# KiCad board 8ch-mosfet.kicad_pcb (continued)
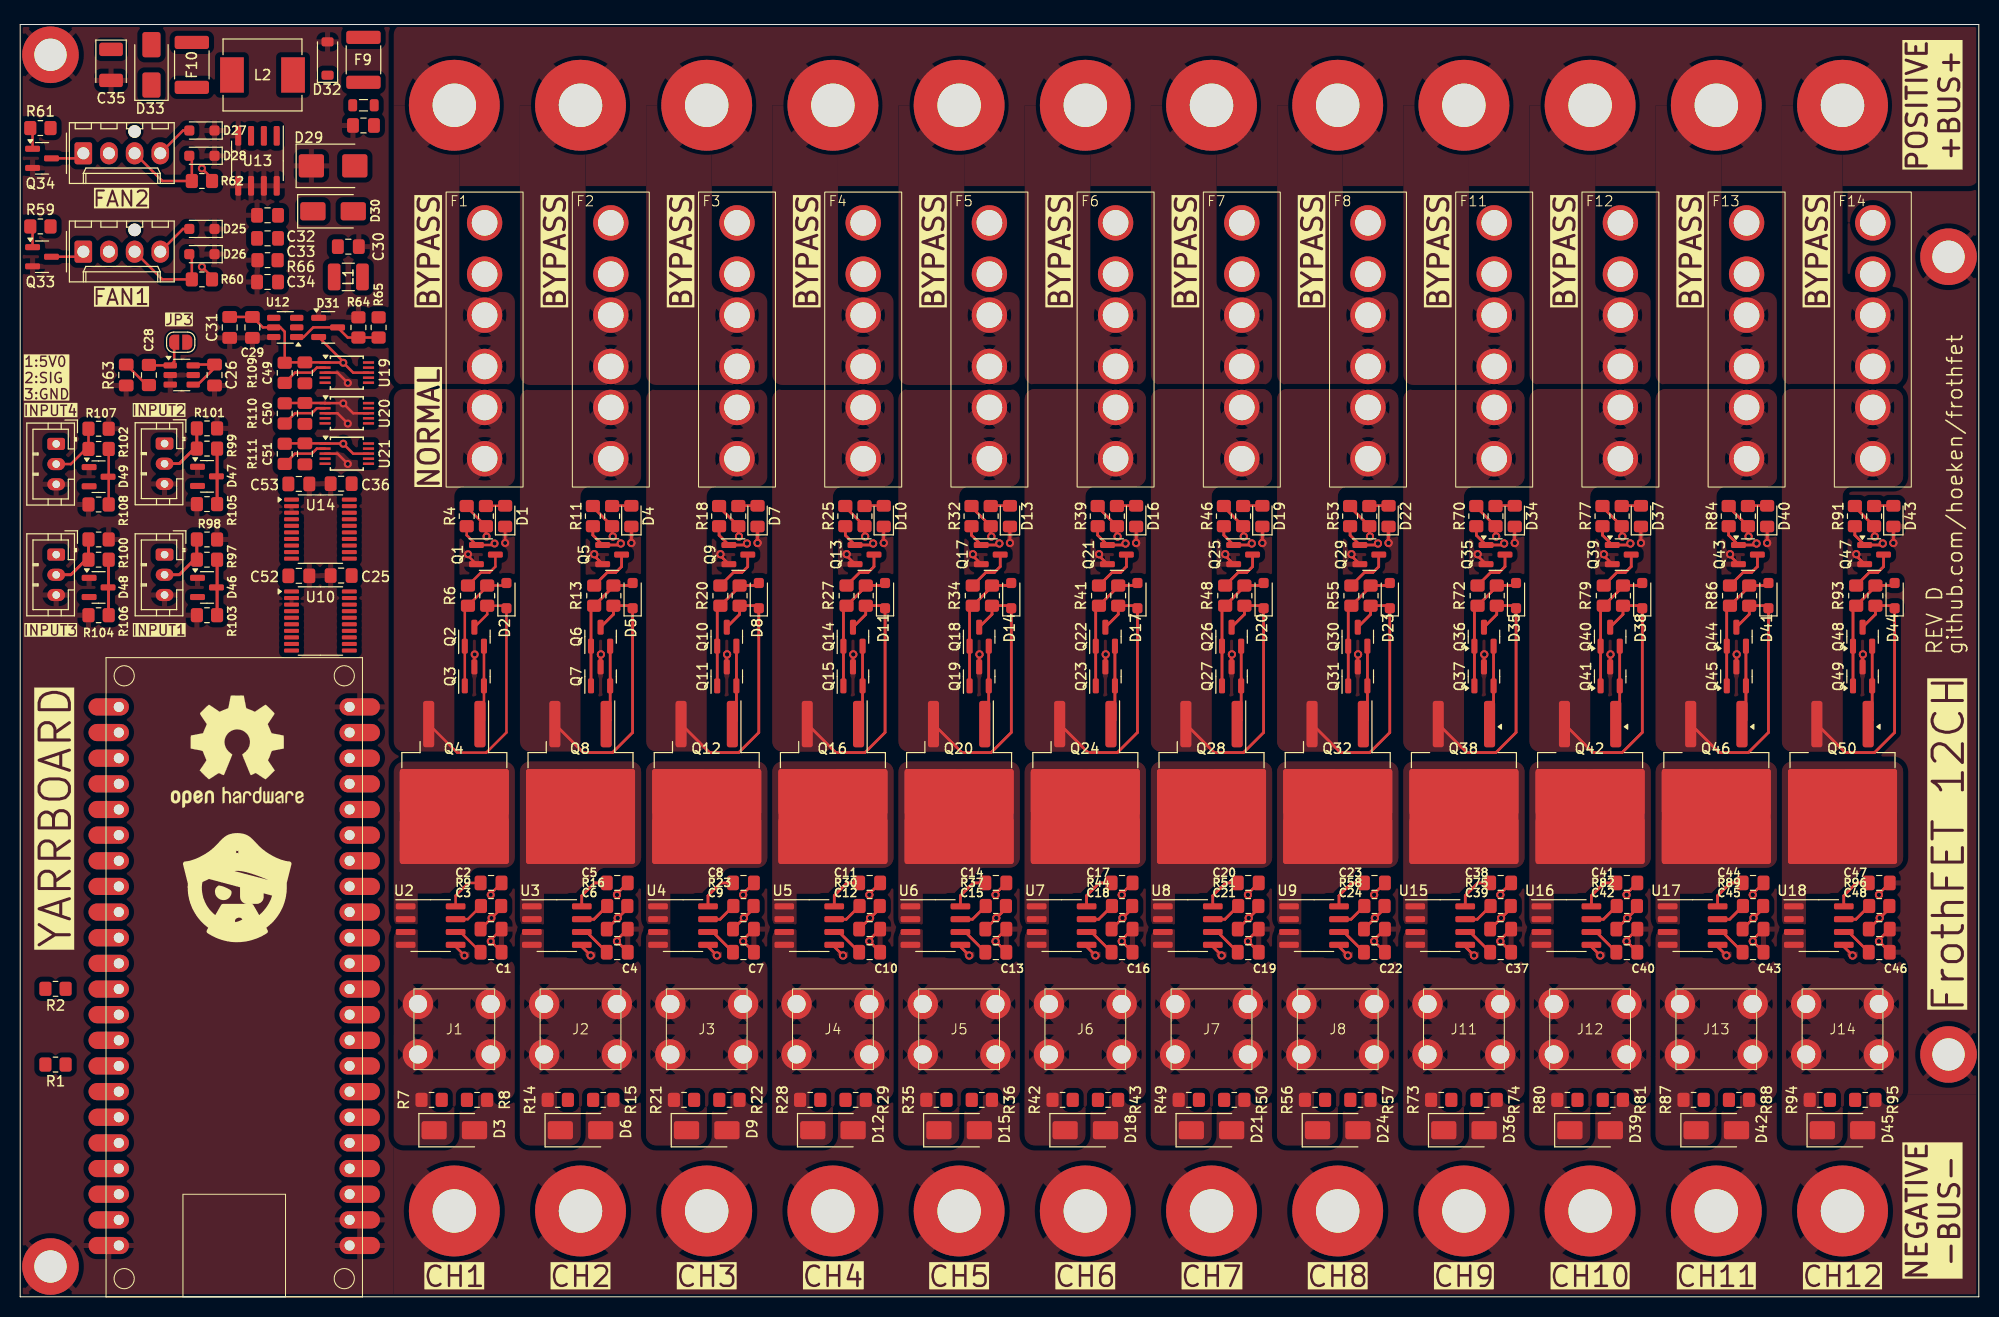
[diagram p0: board, top side]
## Placement (name value [footprint] x y rotation side) (continued)
U3  ACS725xLCTR-20AU  [ACS7XX]  53.15 36.76 0 top
U4  ACS725xLCTR-20AU  [ACS7XX]  65.65 36.76 0 top
U5  ACS725xLCTR-20AU  [ACS7XX]  78.15 36.76 0 top
U6  ACS725xLCTR-20AU  [ACS7XX]  90.65 36.76 0 top
U7  ACS725xLCTR-20AU  [ACS7XX]  103.15 36.76 0 top
U8  ACS725xLCTR-20AU  [ACS7XX]  115.65 36.76 0 top
U9  ACS725xLCTR-20AU  [ACS7XX]  128.15 36.76 0 top
U10  MCP3564R  [TSSOP-20_4.4x6.5mm_P0.65mm]  29.74 66.92 0 top
U11  MCP1502-33  [SOT-23-6]  16 91.29 0 top
U12  MCP3425A0T-ECH  [SOT-23-6]  26.25 96 180 top
U13  XL1509-5.0  [SOIC-8_3.9x4.9mm_P1.27mm]  23.5 112.5 270 top
U14  MCP3564R  [TSSOP-20_4.4x6.5mm_P0.65mm]  29.74 76.03 0 top
U15  ACS725xLCTR-20AU  [ACS7XX]  140.65 36.76 0 top
U16  ACS725xLCTR-20AU  [ACS7XX]  153.15 36.76 0 top
U17  ACS725xLCTR-20AU  [ACS7XX]  165.65 36.76 0 top
U18  ACS725xLCTR-20AU  [ACS7XX]  178.15 36.76 0 top
U19  ADS1015IDGS  [TSSOP-10_3x3mm_P0.5mm]  32.35 91.52 0 top
U20  ADS1015IDGS  [TSSOP-10_3x3mm_P0.5mm]  32.35 87.5 0 top
U21  ADS1015IDGS  [TSSOP-10_3x3mm_P0.5mm]  32.35 83.5 0 top

## Library data of the parts
C1 C4 C7 C10 C13 C16 C19 C22 = -: LCSC: C94121; Mouser: C0805C102J1HACTU; ki_fp_filters: C_*
C2 C5 C8 C11 C14 C17 C20 C23 = -: LCSC: C49678; Mouser: 08053C104KAT4A; ki_fp_filters: C_*
C3 C6 C9 C12 C15 C18 C21 C24 = -: LCSC: C107153; Mouser: C0805C472K5RAC; ki_fp_filters: C_*
C25 C36 C49-C53 = -: Mouser: 08053C104KAT4A; ki_fp_filters: C_*
C26 C28 C31 C38 C41 C44 C47 = -: Mouser: 08053C104KAT4A; LCSC: C49678; ki_fp_filters: C_*
C27 C29 C30 C32-C34 = -: ki_fp_filters: C_*
C35 = -: LCSC: C90975; ki_fp_filters: CP_*
C37 C40 C43 C46 = -: Mouser: C0805C102J1HACTU; LCSC: C94121; ki_fp_filters: C_*
C39 C42 C45 C48 = -: Mouser: C0805C472K5RAC; LCSC: C107153; ki_fp_filters: C_*
D1 D4 D7 D10 D13 D16 D19 D22 D34 D37 D40 D43 = -: Mouser: 150080RS75000; ki_fp_filters: LED* LED_SMD:* LED_THT:*
D2 D5 D8 D11 D14 D17 D20 D23 D35 D38 D41 D44 = -: Mouser: 771-BZX384-C15115; ki_fp_filters: TO-???* *_Diode_* *SingleDiode* D_*
D3 D6 D9 D12 D15 D18 D21 D24 = -: Mouser: 625-SS16-E3; Sim.Device: D; Sim.Pins: 1=K 2=A; ki_fp_filters: D*SMA*
D25-D28 = -: LCSC: C316020; ki_fp_filters: TO-???* *_Diode_* *SingleDiode* D_*
D29 = -: LCSC: C284101; ki_fp_filters: TO-???* *_Diode_* *SingleDiode* D_*
D30 D33 = -: Mouser: 241-SX33L_R1_00001; ki_fp_filters: TO-???* *_Diode_* *SingleDiode* D_*
D31 D46-D49 = -: Datasheet: https://www.diodes.com/assets/Datasheets/ds11005.pdf; LCSC: C727126; ki_fp_filters: SOT?23*
D32 = -: LCSC: C908229; Mouser: 610-CMHSH5-2L; ki_fp_filters: TO-???* *_Diode_* *SingleDiode* D_*
D36 D39 D42 D45 = -: Sim.Device: D; Sim.Pins: 1=K 2=A; Mouser: 625-SS16-E3; ki_fp_filters: D*SMA*
F1-F8 F11-F14 = -: Mouser: 534-3522-3; ki_fp_filters: *Fuse*
F9 = -: LCSC: C70113; ki_fp_filters: *polyfuse* *PTC*
F10 = -: LCSC: C69691; ki_fp_filters: *polyfuse* *PTC*
FAN1 FAN2 = -: Datasheet: http://www.formfactors.org/developer%5Cspecs%5Crev1_2_public.pdf; LCSC: C3025061; Mouser: 538-47053-1000; ki_fp_filters: FanPinHeader*P2.54mm*Vertical* PinHeader*P2.54mm*Vertical* TerminalBlock*
FB1 = -: LCSC: C1017; ki_fp_filters: Inductor_* L_* *Ferrite*
H1-H4 = -: ki_fp_filters: MountingHole*Pad*
INPUT1-INPUT4 = -: Description: Generic connector, single row, 01x03, script generated (kicad-library-utils/schlib/autogen/connector/); ki_fp_filters: Connector*:*_1x??_*
J1-J8 J11-J14 = -: Description: Generic connector, single row, 01x01, script generated (kicad-library-utils/schlib/autogen/connector/); ki_fp_filters: Connector*:*_1x??_*
J9 J10 = -: Description: Generic screw terminal, single row, 01x12, script generated (kicad-library-utils/schlib/autogen/connector/); ki_fp_filters: TerminalBlock*:*
JP3 = -: ki_fp_filters: SolderJumper*Open*
L1 = -: LCSC: C90321; ki_fp_filters: Choke_* *Coil* Inductor_* L_*
L2 = -: LCSC: C2894721; ki_fp_filters: Choke_* *Coil* Inductor_* L_*
LOGO1 = -: Description: Open Hardware logo, small; Sim.Enable: 0
Q1 Q5 Q9 Q13 Q17 Q21 Q25 Q29 Q33-Q35 Q39 Q43 Q47 = -: Datasheet: https://www.onsemi.com/pub/Collateral/NDS7002A-D.PDF; ki_fp_filters: SOT?23*
Q2 Q6 Q10 Q14 Q18 Q22 Q26 Q30 Q36 Q40 Q44 Q48 = -: Datasheet: https://assets.nexperia.com/documents/data-sheet/BC846_SER.pdf; ki_fp_filters: SOT?23*
Q3 Q7 Q11 Q15 Q19 Q23 Q27 Q31 Q37 Q41 Q45 Q49 = -: Datasheet: https://www.onsemi.com/pub/Collateral/BC860-D.pdf; ki_fp_filters: SOT?23*
Q4 Q8 Q12 Q16 Q20 Q24 Q28 Q32 Q38 Q42 Q46 Q50 = -: Datasheet: http://www.infineon.com/dgdl/irf4905.pdf?fileId=5546d462533600a4015355e32165197c; ki_fp_filters: TO?220*
R1 R2 R5-R7 R12-R14 R19-R21 R26-R28 R33-R35 R40-R42 R47-R49 R54-R56 R63 R66 R71-R73 R78-R80 R85-R87 R92-R94 R98 R101 R103-R111 = -: ki_fp_filters: R_*
R3 R9 R10 R16 R17 R23 R24 R30 R31 R37 R38 R44 R45 R51 R52 R58-R62 R69 R75 R76 R82 R83 R89 R90 R96 = -: LCSC: C95781; ki_fp_filters: R_*
R4 R11 R18 R25 R32 R39 R46 R53 R70 R77 R84 R91 = -: LCSC: C114519; ki_fp_filters: R_*
R8 R15 R22 R29 R36 R43 R50 R57 R65 R74 R81 R88 R95 = -: LCSC: C865312; ki_fp_filters: R_*
R64 = -: LCSC: C865386; ki_fp_filters: R_*
R97 R99 R100 R102 = -: LCSC: C865134; ki_fp_filters: R_*
U1 = -: Vendor: 356-ESP32-DEVKITC32E
U2-U9 U15-U18 = -: Datasheet: http://www.allegromicro.com/~/media/Files/Datasheets/ACS725-Datasheet.ashx?la=en; Mouser: 250-725LLCTR20AUT; ki_fp_filters: SOIC*3.9x4.9m*P1.27mm*
U10 U14 = -: Datasheet: https://ww1.microchip.com/downloads/aemDocuments/documents/APID/ProductDocuments/DataSheets/MCP3561_2_4R-Data-Sheet-DS200006391C.pdf; Description: Two/Four/Eight-Channel, 153.6 ksps, Low Noise24-Bit Delta-Sigma ADCs with Internal Voltage Reference; ki_fp_filters: DIP*W7.62mm* SOIC*3.9x9.9mm*P1.27mm*
U11 = -: Datasheet: http://ww1.microchip.com/downloads/en/DeviceDoc/20005474E.pdf; Mouser: 579-MCP1502T-33E/CHY; ki_fp_filters: SOT?23*
U12 = -: Datasheet: http://ww1.microchip.com/downloads/en/DeviceDoc/22072b.pdf; Mouser: 579-MCP3425A0T-E/CH; ki_fp_filters: SOT?23* SOT?23*
U13 = -: Datasheet: https://datasheet.lcsc.com/lcsc/1809050422_XLSEMI-XL1509-5-0E1_C61063.pdf; LCSC: C2902368; ki_fp_filters: SOIC*3.9x4.9mm*P1.27mm*
U19-U21 = -: Datasheet: http://www.ti.com/lit/ds/symlink/ads1015.pdf; Description: Ultra-Small, Low-Power, I2C-Compatible, 3.3-kSPS, 12-Bit ADCs With Internal Reference, Oscillator, and Programmable Comparator, VSSOP-10; ki_fp_filters: TSSOP*3x3mm*P0.5mm*

## Footprints (pads in the part's own frame, mm; a bottom-side part is the same pattern mirrored in y, then rotated)
ACS7XX
  rrect 1.95x0.6 smd: 1(-2.475,1.905) 2(-2.475,0.635) 3(-2.475,-0.635) 4(-2.475,-1.905) 5(2.475,-1.905) 6(2.475,-0.635) 7(2.475,0.635) 8(2.475,1.905)
ATC Bypass Fuse
  round 3.5 hole 2.54: 1(-11.68,0) 1(-6.6,0) 2(-2.54,0) 2(2.54,0) 3(6.6,0) 3(11.68,0)
Busbar Rev D
  round 9 hole 4.3: 1(0,0) 2(12.5,0) 3(25,0) 4(37.5,0) 5(50,0) 6(62.5,0) 7(75,0) 8(87.5,0) 9(100,0) 10(112.5,0) 11(125,0) 12(137.5,0)
C_0805_2012Metric_Pad1.18x1.45mm_HandSolder
  rrect 1.175x1.45 smd: 1(-1.038,0) 2(1.038,0)
CP_EIA-3528-21_Kemet-B
  rrect 1.325x2.35 smd: 1(-1.538,0) 2(1.538,0)
D_SMA
  rrect 2.5x1.8 smd: 1(-2,0) 2(2,0)
D_SMB
  rrect 2.5x2.3 smd: 1(-2.15,0) 2(2.15,0)
D_SOD-123
  rrect 0.9x1.2 smd: 1(-1.65,0) 2(1.65,0)
D_SOD-323_HandSoldering
  rrect 1x1 smd: 1(-1.25,0) 2(1.25,0)
Fuse_1812_4532Metric_Pad1.30x3.40mm_HandSolder
  rrect 1.3x3.4 smd: 1(-2.225,0) 2(2.225,0)
JST_PH_B3B-PH-K_1x03_P2.00mm_Vertical
  rrect 1.2x1.75 hole 0.75: 1(0,0)
  oval 1.2x1.75 hole 0.75: 2(2,0) 3(4,0)
L_0805_2012Metric
  rrect 0.875x1.2 smd: 1(-1.062,0) 2(1.062,0)
L_1210_3225Metric
  rrect 1.25x2.65 smd: 1(-1.4,0) 2(1.4,0)
L_Chilisin_BMRB00060650
  rect 2.35x3.5 smd: 1(-3.025,0) 2(3.025,0)
LED_0805_2012Metric_Pad1.15x1.40mm_HandSolder
  rrect 1.15x1.4 smd: 1(-1.025,0) 2(1.025,0)
Molex 0470531000
  round 1.25 hole 1.25 unplated: (5.08,2.16)
  rrect 1.74x2.19 hole 1.19: 1(0,0)
  oval 1.74x2.19 hole 1.19: 2(2.54,0) 3(5.08,0) 4(7.62,0)
MountingHole_3.2mm_M3_DIN965_Pad
  round 5.6 hole 3.2: 1(0,0)
R_0805_2012Metric_Pad1.20x1.40mm_HandSolder
  rrect 1.2x1.4 smd: 1(-1,0) 2(1,0)
SOIC-8_3.9x4.9mm_P1.27mm
  rrect 1.95x0.6 smd: 1(-2.475,1.905) 2(-2.475,0.635) 3(-2.475,-0.635) 4(-2.475,-1.905) 5(2.475,-1.905) 6(2.475,-0.635) 7(2.475,0.635) 8(2.475,1.905)
SolderJumper-2_P1.3mm_Open_RoundedPad1.0x1.5mm
  custom 1x1.5 smd: 1(-0.65,0) 2(0.65,0)
SOT-23
  rrect 1.475x0.6 smd: 1(-0.938,0.95) 2(-0.938,-0.95) 3(0.938,0)
SOT-23-6
  rrect 1.325x0.6 smd: 1(-1.137,0.95) 2(-1.137,0) 3(-1.137,-0.95) 4(1.137,-0.95) 5(1.137,0) 6(1.137,0.95)
T44001
  round 3 hole 1.8: 1(-2.5,3.6) 1(-2.5,-3.6) 1(2.5,3.6) 1(2.5,-3.6)
TO-263-2
  rrect 4.6x1.1 smd: 1(-7.65,2.54) 3(-7.65,-2.54)
  rrect 4.55x5.25 smd: 2(-0.925,2.775) 2(-0.925,-2.775) 2(3.925,2.775) 2(3.925,-2.775)
  rrect 9.4x10.8 smd: 2(1.5,0)
TSSOP-10_3x3mm_P0.5mm
  rect 1.1x0.25 smd: 1(-2.15,1) 2(-2.15,0.5) 3(-2.15,0) 4(-2.15,-0.5) 5(-2.15,-1) 6(2.15,-1) 7(2.15,-0.5) 8(2.15,0) 9(2.15,0.5) 10(2.15,1)
TSSOP-20_4.4x6.5mm_P0.65mm
  rrect 1.475x0.4 smd: 1(-2.862,2.925) 2(-2.862,2.275) 3(-2.862,1.625) 4(-2.862,0.975) 5(-2.862,0.325) 6(-2.862,-0.325) 7(-2.862,-0.975) 8(-2.862,-1.625) 9(-2.862,-2.275) 10(-2.862,-2.925) 11(2.862,-2.925) 12(2.862,-2.275) 13(2.862,-1.625) 14(2.862,-0.975) 15(2.862,-0.325) 16(2.862,0.325) 17(2.862,0.975) 18(2.862,1.625) 19(2.862,2.275) 20(2.862,2.925)
Waveshare-ESP32-S3-dev-kit
  oval 4x1.7 hole 1: 1(1.27,58.42) 2(1.27,55.88) 3(1.27,53.34) 4(1.27,50.8) 5(1.27,48.26) 6(1.27,45.72) 7(1.27,43.18) 8(1.27,40.64) 9(1.27,38.1) 10(1.27,35.56) 11(1.27,33.02) 12(1.27,30.48) 13(1.27,27.94) 14(1.27,25.4) 15(1.27,22.86) 16(1.27,20.32) 17(1.27,17.78) 18(1.27,15.24) 19(1.27,12.7) 20(1.27,10.16) 21(1.27,7.62) 22(1.27,5.08) 23(24.13,5.08) 24(24.13,7.62) 25(24.13,10.16) 26(24.13,12.7) 27(24.13,15.24) 28(24.13,17.78) 29(24.13,20.32) 30(24.13,22.86) 31(24.13,25.4) 32(24.13,27.94) 33(24.13,30.48) 34(24.13,33.02) 35(24.13,35.56) 36(24.13,38.1) 37(24.13,40.64) 38(24.13,43.18) 39(24.13,45.72) 40(24.13,48.26) 41(24.13,50.8) 42(24.13,53.34) 43(24.13,55.88) 44(24.13,58.42)

## Nets
+3.3V: C2.1 C5.1 C8.1 C11.1 C14.1 C17.1 C20.1 C23.1 C25.1 C29.1 C31.1 C36.1 C38.1 C41.1 C44.1 C47.1 C49.1 C50.1 C51.1 D31.2 D46.2 D47.2 D48.2 D49.2 JP3.2 R1.2 R2.2 R60.2 R62.2 R109.2 R110.2 R111.2 U1.1 U1.2 U2.8 U3.8 U4.8 U5.8 U6.8 U7.8 U8.8 U9.8 U10.20 U12.5 U14.20 U15.8 U16.8 U17.8 U18.8 U19.1 U19.8 U20.8 U21.8
+5V: C35.1 D33.2 F10.1 FAN1.2 FAN2.2 INPUT1.1 INPUT2.1 INPUT3.1 INPUT4.1
+24V: F1.2 F2.2 F3.2 F4.2 F5.2 F6.2 F7.2 F8.2 F9.2 F11.2 F12.2 F13.2 F14.2 J9.1 J9.2 J9.3 J9.4 J9.5 J9.6 J9.7 J9.8 J9.9 J9.10 J9.11 J9.12 R64.2
GND: C1.2 C2.2 C3.2 C4.2 C5.2 C6.2 C7.2 C8.2 C9.2 C10.2 C11.2 C12.2 C13.2 C14.2 C15.2 C16.2 C17.2 C18.2 C19.2 C20.2 C21.2 C22.2 C23.2 C24.2 C25.2 C26.2 C27.2 C28.2 C29.2 C30.2 C31.2 C32.2 C34.2 C35.2 C36.2 C37.2 C38.2 C39.2 C40.2 C41.2 C42.2 C43.2 C44.2 C45.2 C46.2 C47.2 C48.2 C49.2 C50.2 C51.2 C52.2 C53.2 D1.1 D3.2 D4.1 D6.2 D7.1 D9.2 D10.1 D12.2 D13.1 D15.2 D16.1 D18.2 D19.1 D21.2 D22.1 D24.2 D25.1 D26.1 D27.1 D28.1 D29.1 D31.1 D32.2 D34.1 D36.2 D37.1 D39.2 D40.1 D42.2 D43.1 D45.2 D46.1 D47.1 D48.1 D49.1 H1.1 H2.1 H3.1 H4.1 INPUT1.3 INPUT2.3 INPUT3.3 INPUT4.3 J10.1 J10.2 J10.3 J10.4 J10.5 J10.6 J10.7 J10.8 J10.9 J10.10 J10.11 J10.12 Q1.2 Q3.3 Q5.2 Q7.3 Q9.2 Q11.3 Q13.2 Q15.3 Q17.2 Q19.3 Q21.2 Q23.3 Q25.2 Q27.3 Q29.2 Q31.3 Q33.2 Q34.2 Q35.2 Q37.3 Q39.2 Q41.3 Q43.2 Q45.3 Q47.2 Q49.3 R8.1 R15.1 R22.1 R29.1 R36.1 R43.1 R50.1 R57.1 R65.1 R66.2 R74.1 R81.1 R88.1 R95.1 R98.1 R101.1 R103.1 R104.1 R105.1 R106.1 R107.1 R108.1 U1.22 U1.23 U1.24 U1.44 U2.5 U3.5 U4.5 U5.5 U6.5 U7.5 U8.5 U9.5 U10.2 U10.3 U10.19 U11.2 U11.3 U11.5 U12.2 U12.6 U13.4 U13.5 U13.6 U13.7 U13.8 U14.2 U14.3 U14.19 U15.5 U16.5 U17.5 U18.5 U19.3 U20.1 U20.3 U21.3
/CHANNEL 1/CURRENT_ADC: C3.1 R9.1 U10.5
/CHANNEL 1/PWM: R3.2 R4.1 U1.41
/CHANNEL 2/CURRENT_ADC: C6.1 R16.1 U10.6
/CHANNEL 2/PWM: R10.2 R11.1 U1.40
/CHANNEL 3/CURRENT_ADC: C9.1 R23.1 U10.7
/CHANNEL 3/PWM: R17.2 R18.1 U1.39
/CHANNEL 4/CURRENT_ADC: C12.1 R30.1 U10.8
/CHANNEL 4/PWM: R24.2 R25.1 U1.38
/CHANNEL 5/CURRENT_ADC: C15.1 R37.1 U10.9
/CHANNEL 5/PWM: R31.2 R32.1 U1.37
/CHANNEL 6/CURRENT_ADC: C18.1 R44.1 U10.10
/CHANNEL 6/PWM: R38.2 R39.1 U1.36
/CHANNEL 7/CURRENT_ADC: C21.1 R51.1 U10.11
/CHANNEL 7/PWM: R45.2 R46.1 U1.34
/CHANNEL 8/CURRENT_ADC: C24.1 R58.1 U10.12
/CHANNEL 8/PWM: R52.2 R53.1 U1.33
/CHANNEL 9/CURRENT_ADC: C39.1 R75.1 U14.5
/CHANNEL 9/PWM: R69.2 R70.1 U1.29
/CHANNEL 10/CURRENT_ADC: C42.1 R82.1 U14.6
/CHANNEL 10/PWM: R76.2 R77.1 U1.28
/CHANNEL 11/CURRENT_ADC: C45.1 R89.1 U14.7
/CHANNEL 11/PWM: R83.2 R84.1 U1.27
/CHANNEL 12/CURRENT_ADC: C48.1 R96.1 U14.8
/CHANNEL 12/PWM: R90.2 R91.1 U1.20
/CURRENT ADC2/A4: D46.3 R97.1 R103.2 U14.9
/CURRENT ADC2/A5: D47.3 R99.1 R105.2 U14.10
/CURRENT ADC2/A6: D48.3 R100.1 R106.2 U14.11
/CURRENT ADC2/A7: D49.3 R102.1 R108.2 U14.12
ADC0_CS: U10.13
ADC0_SS: U1.16
ADC1_CS: U1.11 U14.13
ESP32_5V: C26.1 D33.1 U1.21 U11.4 U11.6
FAN_MOSFET1: R59.2 U1.8
FAN_MOSFET2: R61.2 U1.5
FAN_PWM1: D25.2 FAN1.4 U1.9
FAN_PWM2: D27.2 FAN2.4 U1.6
FAN_TACH1: D26.2 FAN1.3 R60.1 U1.10
FAN_TACH2: D28.2 FAN2.3 R62.1 U1.7
MISO: U1.19 U10.16 U14.16
MOSI: U1.17 U10.15 U14.15
REF_3V3: C52.1 C53.1 JP3.1 R63.2 U10.1 U10.4 U11.1 U14.1 U14.4
SCK: U1.18 U10.14 U14.14
SCL: R1.1 U1.15 U12.3 U19.10 U20.10 U21.1 U21.10
SDA: R2.1 U1.12 U12.4 U19.9 U20.9 U21.9
VOLT1: R7.1 R8.2 U19.4
VOLT2: R14.1 R15.2 U19.5
VOLT3: R21.1 R22.2 U19.6
VOLT4: R28.1 R29.2 U19.7
VOLT5: R35.1 R36.2 U20.4
VOLT6: R42.1 R43.2 U20.5
VOLT7: R49.1 R50.2 U20.6
VOLT8: R56.1 R57.2 U20.7
VOLT9: R73.1 R74.2 U21.4
VOLT10: R80.1 R81.2 U21.5
VOLT11: R87.1 R88.2 U21.6
VOLT12: R94.1 R95.2 U21.7
Net-(C28-Pad1): C28.1 R63.1
Net-(C33-Pad2): C33.2 R66.1
Net-(D1-A): D1.2 R3.1
Net-(D2-A): D2.2 Q2.1 Q3.1 R5.1 R6.2
Net-(D2-K): D2.1 F1.1 Q2.3 Q4.3 R5.2
Net-(D3-K): D3.1 F1.3 J1.1 R7.2 U2.3 U2.4
Net-(D4-A): D4.2 R10.1
Net-(D5-A): D5.2 Q6.1 Q7.1 R12.1 R13.2
Net-(D5-K): D5.1 F2.1 Q6.3 Q8.3 R12.2
Net-(D6-K): D6.1 F2.3 J2.1 R14.2 U3.3 U3.4
Net-(D7-A): D7.2 R17.1
Net-(D8-A): D8.2 Q10.1 Q11.1 R19.1 R20.2
Net-(D8-K): D8.1 F3.1 Q10.3 Q12.3 R19.2
Net-(D9-K): D9.1 F3.3 J3.1 R21.2 U4.3 U4.4
Net-(D10-A): D10.2 R24.1
Net-(D11-A): D11.2 Q14.1 Q15.1 R26.1 R27.2
Net-(D11-K): D11.1 F4.1 Q14.3 Q16.3 R26.2
Net-(D12-K): D12.1 F4.3 J4.1 R28.2 U5.3 U5.4
Net-(D13-A): D13.2 R31.1
Net-(D14-A): D14.2 Q18.1 Q19.1 R33.1 R34.2
Net-(D14-K): D14.1 F5.1 Q18.3 Q20.3 R33.2
Net-(D15-K): D15.1 F5.3 J5.1 R35.2 U6.3 U6.4
Net-(D16-A): D16.2 R38.1
Net-(D17-A): D17.2 Q22.1 Q23.1 R40.1 R41.2
Net-(D17-K): D17.1 F6.1 Q22.3 Q24.3 R40.2
Net-(D18-K): D18.1 F6.3 J6.1 R42.2 U7.3 U7.4
Net-(D19-A): D19.2 R45.1
Net-(D20-A): D20.2 Q26.1 Q27.1 R47.1 R48.2
Net-(D20-K): D20.1 F7.1 Q26.3 Q28.3 R47.2
Net-(D21-K): D21.1 F7.3 J7.1 R49.2 U8.3 U8.4
Net-(D22-A): D22.2 R52.1
Net-(D23-A): D23.2 Q30.1 Q31.1 R54.1 R55.2
Net-(D23-K): D23.1 F8.1 Q30.3 Q32.3 R54.2
Net-(D24-K): D24.1 F8.3 J8.1 R56.2 U9.3 U9.4
Net-(D29-A2): C27.1 D29.2 D30.2 FB1.2
Net-(D30-K): C30.1 D30.1 L1.1
Net-(D31-COM): D31.3 R64.1 R65.2 U12.1
Net-(D32-K): D32.1 L2.1 U13.2
Net-(D34-A): D34.2 R69.1
Net-(D35-A): D35.2 Q36.1 Q37.1 R71.1 R72.2
Net-(D35-K): D35.1 F11.1 Q36.3 Q38.3 R71.2
Net-(D36-K): D36.1 F11.3 J11.1 R73.2 U15.3 U15.4
Net-(D37-A): D37.2 R76.1
Net-(D38-A): D38.2 Q40.1 Q41.1 R78.1 R79.2
Net-(D38-K): D38.1 F12.1 Q40.3 Q42.3 R78.2
Net-(D39-K): D39.1 F12.3 J12.1 R80.2 U16.3 U16.4
Net-(D40-A): D40.2 R83.1
Net-(D41-A): D41.2 Q44.1 Q45.1 R85.1 R86.2
Net-(D41-K): D41.1 F13.1 Q44.3 Q46.3 R85.2
Net-(D42-K): D42.1 F13.3 J13.1 R87.2 U17.3 U17.4
Net-(D43-A): D43.2 R90.1
Net-(D44-A): D44.2 Q48.1 Q49.1 R92.1 R93.2
Net-(D44-K): D44.1 F14.1 Q48.3 Q50.3 R92.2
Net-(D45-K): D45.1 F14.3 J14.1 R94.2 U18.3 U18.4
Net-(F9-Pad1): F9.1 FB1.1
Net-(FAN1--): FAN1.1 Q33.3
Net-(FAN2--): FAN2.1 Q34.3
Net-(INPUT1-Pin_2): INPUT1.2 R97.2 R98.2
Net-(INPUT2-Pin_2): INPUT2.2 R99.2 R101.2
Net-(INPUT3-Pin_2): INPUT3.2 R100.2 R104.2
Net-(INPUT4-Pin_2): INPUT4.2 R102.2 R107.2
Net-(Q1-D): Q1.3 R6.1
Net-(Q1-G): Q1.1 R4.2
Net-(Q2-E): Q2.2 Q3.2 Q4.1
Net-(Q4-D): Q4.2 U2.1 U2.2
Net-(Q5-D): Q5.3 R13.1
Net-(Q5-G): Q5.1 R11.2
Net-(Q6-E): Q6.2 Q7.2 Q8.1
Net-(Q8-D): Q8.2 U3.1 U3.2
Net-(Q9-D): Q9.3 R20.1
Net-(Q9-G): Q9.1 R18.2
Net-(Q10-E): Q10.2 Q11.2 Q12.1
Net-(Q12-D): Q12.2 U4.1 U4.2
Net-(Q13-D): Q13.3 R27.1
Net-(Q13-G): Q13.1 R25.2
Net-(Q14-E): Q14.2 Q15.2 Q16.1
Net-(Q16-D): Q16.2 U5.1 U5.2
Net-(Q17-D): Q17.3 R34.1
Net-(Q17-G): Q17.1 R32.2
Net-(Q18-E): Q18.2 Q19.2 Q20.1
Net-(Q20-D): Q20.2 U6.1 U6.2
Net-(Q21-D): Q21.3 R41.1
Net-(Q21-G): Q21.1 R39.2
Net-(Q22-E): Q22.2 Q23.2 Q24.1
Net-(Q24-D): Q24.2 U7.1 U7.2
Net-(Q25-D): Q25.3 R48.1
Net-(Q25-G): Q25.1 R46.2
Net-(Q26-E): Q26.2 Q27.2 Q28.1
Net-(Q28-D): Q28.2 U8.1 U8.2
Net-(Q29-D): Q29.3 R55.1
Net-(Q29-G): Q29.1 R53.2
Net-(Q30-E): Q30.2 Q31.2 Q32.1
Net-(Q32-D): Q32.2 U9.1 U9.2
Net-(Q33-G): Q33.1 R59.1
Net-(Q34-G): Q34.1 R61.1
Net-(Q35-D): Q35.3 R72.1
Net-(Q35-G): Q35.1 R70.2
Net-(Q36-E): Q36.2 Q37.2 Q38.1
Net-(Q38-D): Q38.2 U15.1 U15.2
Net-(Q39-D): Q39.3 R79.1
Net-(Q39-G): Q39.1 R77.2
Net-(Q40-E): Q40.2 Q41.2 Q42.1
Net-(Q42-D): Q42.2 U16.1 U16.2
Net-(Q43-D): Q43.3 R86.1
Net-(Q43-G): Q43.1 R84.2
Net-(Q44-E): Q44.2 Q45.2 Q46.1
Net-(Q46-D): Q46.2 U17.1 U17.2
Net-(Q47-D): Q47.3 R93.1
Net-(Q47-G): Q47.1 R91.2
Net-(Q48-E): Q48.2 Q49.2 Q50.1
Net-(Q50-D): Q50.2 U18.1 U18.2
Net-(U2-FILTER): C1.1 U2.6
Net-(U2-VIOUT): R9.2 U2.7
Net-(U3-FILTER): C4.1 U3.6
Net-(U3-VIOUT): R16.2 U3.7
Net-(U4-FILTER): C7.1 U4.6
Net-(U4-VIOUT): R23.2 U4.7
Net-(U5-FILTER): C10.1 U5.6
Net-(U5-VIOUT): R30.2 U5.7
Net-(U6-FILTER): C13.1 U6.6
Net-(U6-VIOUT): R37.2 U6.7
Net-(U7-FILTER): C16.1 U7.6
Net-(U7-VIOUT): R44.2 U7.7
Net-(U8-FILTER): C19.1 U8.6
Net-(U8-VIOUT): R51.2 U8.7
Net-(U9-FILTER): C22.1 U9.6
Net-(U9-VIOUT): R58.2 U9.7
Net-(U13-FB): F10.2 L2.2 U13.3
Net-(U13-VIN): C32.1 C33.1 C34.1 L1.2 U13.1
Net-(U15-FILTER): C37.1 U15.6
Net-(U15-VIOUT): R75.2 U15.7
Net-(U16-FILTER): C40.1 U16.6
Net-(U16-VIOUT): R82.2 U16.7
Net-(U17-FILTER): C43.1 U17.6
Net-(U17-VIOUT): R89.2 U17.7
Net-(U18-FILTER): C46.1 U18.6
Net-(U18-VIOUT): R96.2 U18.7
Net-(U19-ALERT/RDY): R109.1 U19.2
Net-(U20-ALERT/RDY): R110.1 U20.2
Net-(U21-ALERT/RDY): R111.1 U21.2

Pads without a net: U1 3 4 13 14 25 26 30 31 32 35 42 43; U10 17 18; U14 17 18

## Via types
v1: diameter 0.8, hole 0.4, Top to Bottom, 215 vias

## Routing (per net, layer and track width the routed paths; a pad name or vN(x,y) marks a point on that pad's centre or on a via; arc(x,y) is an arc through that point)
+3.3V: length 126.7
  Top w0.25: C2.1 44.39,40.99 43.13,39.73 U2.8 ; 81.89,40.99 80.63,39.73 ; 81.89,40.99 80.63,39.73 ; 81.89,40.99 C11.1 81.89,40.99 ; 80.63,39.73 U5.8 80.63,39.73 ; 143.13,39.73 U15.8 143.13,39.73 ; 143.13,39.73 144.39,40.99 ; 143.13,39.73 144.39,40.99 ; 94.39,40.99 C14.1 94.39,40.99 ; 94.39,40.99 93.13,39.73 ; 94.39,40.99 93.13,39.73 ; 144.39,40.99 C38.1 144.39,40.99 ; 55.63,39.73 U3.8 55.63,39.73 ; 55.63,39.73 56.89,40.99 ; 55.63,39.73 56.89,40.99 ; 169.39,40.99 C44.1 169.39,40.99 ; 169.39,40.99 168.13,39.73 ; 169.39,40.99 168.13,39.73 ; v1(32,92.5) 32,92.61 D31.2 ; v1(32,92.5) 32.98,91.52 U19.8 ; v1(32,92.5) 31.98,92.52 U19.1 30.18,92.54 C49.1 26.24,92.54 R109.2 26.2,95.57 25.77,96 U12.5 24.04,96 C29.1 C31.1 ; 56.89,40.99 C5.1 56.89,40.99 ; 119.39,40.99 C20.1 119.39,40.99 ; 119.39,40.99 118.13,39.73 ; 119.39,40.99 118.13,39.73 ; U21.8 32.98,83.5 v1(32,84.48) 31.98,84.5 30.2,84.5 30.18,84.52 C51.1 26.24,84.52 R111.2 ; 156.89,40.99 C41.1 156.89,40.99 ; 156.89,40.99 155.63,39.73 ; 156.89,40.99 155.63,39.73 ; 106.89,40.99 105.63,39.73 ; 106.89,40.99 105.63,39.73 ; 106.89,40.99 C17.1 106.89,40.99 ; 105.63,39.73 U7.8 105.63,39.73 ; 155.63,39.73 U16.8 155.63,39.73 ; 118.13,39.73 U8.8 118.13,39.73 ; 168.13,39.73 U17.8 168.13,39.73 ; 68.13,39.73 U4.8 68.13,39.73 ; 68.13,39.73 69.39,40.99 ; 68.13,39.73 69.39,40.99 ; R60.2 19,101 v1(18,102) ; 181.89,40.99 180.63,39.73 ; 181.89,40.99 C47.1 181.89,40.99 ; 181.89,40.99 180.63,39.73 ; 180.63,39.73 U18.8 180.63,39.73 ; v1(18,111.74) 19,110.74 R62.2 ; 93.13,39.73 U6.8 93.13,39.73 ; 69.39,40.99 C8.1 69.39,40.99 ; 131.89,40.99 C23.1 131.89,40.99 ; 131.89,40.99 130.63,39.73 ; 131.89,40.99 130.63,39.73 ; 130.63,39.73 U9.8 130.63,39.73
GND: length 256.6
  Top w0.25: v1(45.02,63.62) 44.99,63.59 Q3.3 ; 168.13,34.67 U17.5 168.13,34.67 ; 168.13,34.67 v1(169,33.8) 168.13,34.67 ; 143.13,34.67 U15.5 143.13,34.67 ; 143.13,34.67 v1(144,33.8) 143.13,34.67 ; v1(71.61,35.21) 71.61,35.35 ; v1(71.61,35.21) 72.68,34.14 ; v1(71.61,35.21) 71.61,35.35 ; v1(71.61,35.21) 72.68,34.14 ; 71.61,35.35 C9.2 71.61,35.35 ; 109.11,39.92 v1(109.11,39.81) 109.11,39.92 ; 109.11,39.92 C17.2 109.11,39.92 ; C2.2 46.61,39.92 v1(46.61,39.81) ; 146.61,35.35 C39.2 146.61,35.35 ; 146.61,35.35 v1(146.61,35.21) ; 146.61,35.35 v1(146.61,35.21) ; 134.11,39.92 C23.2 134.11,39.92 ; 134.11,39.92 v1(134.11,39.81) 134.11,39.92 ; 134.11,35.35 C24.2 134.11,35.35 ; 134.11,35.35 v1(134.11,35.21) ; 134.11,35.35 v1(134.11,35.21) ; 59.11,35.35 C6.2 59.11,35.35 ; 59.11,35.35 v1(59.11,35.21) ; 59.11,35.35 v1(59.11,35.21) ; 169.36,73.38 v1(169.36,73.54) 169.36,73.38 ; 169.36,73.38 Q43.2 169.36,73.38 ; 69.99,63.59 v1(70.02,63.62) 69.99,63.59 ; 69.99,63.59 Q11.3 69.99,63.59 ; 118.13,34.67 U8.5 118.13,34.67 ; 118.13,34.67 v1(119,33.8) 118.13,34.67 ; 80.63,34.67 U5.5 80.63,34.67 ; 80.63,34.67 v1(81.5,33.8) 80.63,34.67 ; U19.3 31.43,91.52 v1(32.45,90.5) ; 155.63,34.67 v1(156.5,33.8) 155.63,34.67 ; 155.63,34.67 U16.5 155.63,34.67 ; 106.86,73.38 Q21.2 106.86,73.38 ; 106.86,73.38 v1(106.86,73.54) 106.86,73.38 ; 96.61,39.92 v1(96.61,39.81) 96.61,39.92 ; 96.61,39.92 C14.2 96.61,39.92 ; 57.49,63.59 v1(57.52,63.62) 57.49,63.59 ; 57.49,63.59 Q7.3 57.49,63.59 ; 159.11,39.92 v1(159.11,39.81) 159.11,39.92 ; 159.11,39.92 C41.2 159.11,39.92 ; U2.5 43.13,34.67 v1(44,33.8) ; 94.36,73.38 Q17.2 94.36,73.38 ; 94.36,73.38 v1(94.36,73.54) 94.36,73.38 ; v1(44.36,73.54) 44.36,73.38 Q1.2 ; v1(84.11,35.21) 84.11,35.35 ; v1(84.11,35.21) 85.18,34.14 ; v1(84.11,35.21) 85.18,34.14 ; v1(84.11,35.21) 84.11,35.35 ; 84.11,35.35 C12.2 84.11,35.35 ; 93.13,34.67 U6.5 93.13,34.67 ; 93.13,34.67 v1(94,33.8) 93.13,34.67 ; 56.86,73.38 v1(56.86,73.54) 56.86,73.38 ; 56.86,73.38 Q5.2 56.86,73.38 ; 72.68,34.14 C7.2 72.68,34.14 ; 71.61,39.92 v1(71.61,39.81) 71.61,39.92 ; 71.61,39.92 C8.2 71.61,39.92 ; 182.49,63.59 v1(182.52,63.62) 182.49,63.59 ; 182.49,63.59 Q49.3 182.49,63.59 ; 147.68,34.14 C37.2 147.68,34.14 ; 147.68,34.14 v1(146.61,35.21) ; 147.68,34.14 v1(146.61,35.21) ; 169.99,63.59 v1(170.02,63.62) 169.99,63.59 ; 169.99,63.59 Q45.3 169.99,63.59 ; 119.36,73.38 v1(119.36,73.54) 119.36,73.38 ; 119.36,73.38 Q25.2 119.36,73.38 ; 81.86,73.38 Q13.2 81.86,73.38 ; 81.86,73.38 v1(81.86,73.54) 81.86,73.38 ; v1(96.61,35.21) 96.61,35.35 ; v1(96.61,35.21) 96.61,35.35 ; v1(96.61,35.21) 97.68,34.14 ; v1(96.61,35.21) 97.68,34.14 ; 96.61,35.35 C15.2 96.61,35.35 ; 119.99,63.59 Q27.3 119.99,63.59 ; 119.99,63.59 v1(120.02,63.62) 119.99,63.59 ; 184.11,39.92 v1(184.11,39.81) 184.11,39.92 ; 184.11,39.92 C47.2 184.11,39.92 ; 94.99,63.59 v1(95.02,63.62) 94.99,63.59 ; 94.99,63.59 Q19.3 94.99,63.59 ; 84.11,39.92 v1(84.11,39.81) 84.11,39.92 ; 84.11,39.92 C11.2 84.11,39.92 ; 68.13,34.67 U4.5 68.13,34.67 ; 68.13,34.67 v1(69,33.8) 68.13,34.67 ; 135.18,34.14 C22.2 135.18,34.14 ; 135.18,34.14 v1(134.11,35.21) ; 135.18,34.14 v1(134.11,35.21) ; 121.61,39.92 C20.2 121.61,39.92 ; 121.61,39.92 v1(121.61,39.81) 121.61,39.92 ; 110.18,34.14 v1(109.11,35.21) ; 110.18,34.14 C16.2 110.18,34.14 ; 110.18,34.14 v1(109.11,35.21) ; v1(109.11,35.21) 109.11,35.35 ; v1(109.11,35.21) 109.11,35.35 ; 85.18,34.14 C10.2 85.18,34.14 ; 122.68,34.14 C19.2 122.68,34.14 ; 122.68,34.14 v1(121.61,35.21) ; 122.68,34.14 v1(121.61,35.21) ; 172.68,34.14 v1(171.61,35.21) ; 172.68,34.14 C43.2 172.68,34.14 ; 172.68,34.14 v1(171.61,35.21) ; v1(171.61,35.21) 171.61,35.35 ; v1(171.61,35.21) 171.61,35.35 ; 185.18,34.14 v1(184.11,35.21) ; 185.18,34.14 v1(184.11,35.21) ; 185.18,34.14 C46.2 185.18,34.14 ; v1(184.11,35.21) 184.11,35.35 ; v1(184.11,35.21) 184.11,35.35 ; 144.36,73.38 v1(144.36,73.54) 144.36,73.38 ; 144.36,73.38 Q35.2 144.36,73.38 ; 131.86,73.38 Q29.2 131.86,73.38 ; 131.86,73.38 v1(131.86,73.54) 131.86,73.38 ; v1(121.61,35.21) 121.61,35.35 ; v1(121.61,35.21) 121.61,35.35 ; 82.49,63.59 Q15.3 82.49,63.59 ; 82.49,63.59 v1(82.52,63.62) 82.49,63.59 ; 60.18,34.14 v1(59.11,35.21) ; 60.18,34.14 C4.2 60.18,34.14 ; 60.18,34.14 v1(59.11,35.21) ; 105.63,34.67 U7.5 105.63,34.67 ; 105.63,34.67 v1(106.5,33.8) 105.63,34.67 ; 171.61,39.92 C44.2 171.61,39.92 ; 171.61,39.92 v1(171.61,39.81) 171.61,39.92 ; 184.11,35.35 C48.2 184.11,35.35 ; 181.86,73.38 v1(181.86,73.54) 181.86,73.38 ; 181.86,73.38 Q47.2 181.86,73.38 ; 144.99,63.59 v1(145.02,63.62) 144.99,63.59 ; 144.99,63.59 Q37.3 144.99,63.59 ; 132.49,63.59 Q31.3 132.49,63.59 ; 132.49,63.59 v1(132.52,63.62) 132.49,63.59 ; 55.63,34.67 v1(56.5,33.8) 55.63,34.67 ; 55.63,34.67 U3.5 55.63,34.67 ; 180.63,34.67 v1(181.5,33.8) 180.63,34.67 ; 180.63,34.67 U18.5 180.63,34.67 ; 107.49,63.59 v1(107.52,63.62) 107.49,63.59 ; 107.49,63.59 Q23.3 107.49,63.59 ; 156.86,73.38 Q39.2 156.86,73.38 ; 156.86,73.38 v1(156.86,73.54) 156.86,73.38 ; 69.36,73.38 v1(69.36,73.54) 69.36,73.38 ; 69.36,73.38 Q9.2 69.36,73.38 ; 146.61,39.92 C38.2 146.61,39.92 ; 146.61,39.92 v1(146.61,39.81) 146.61,39.92 ; 97.68,34.14 C13.2 97.68,34.14 ; U21.3 31.43,83.5 v1(32.45,82.48) ; 121.61,35.35 C21.2 121.61,35.35 ; v1(159.11,35.21) 159.11,35.35 ; v1(159.11,35.21) 159.11,35.35 ; v1(159.11,35.21) 160.18,34.14 ; v1(159.11,35.21) 160.18,34.14 ; 159.11,35.35 C42.2 159.11,35.35 ; 59.11,39.92 v1(59.11,39.81) 59.11,39.92 ; 59.11,39.92 C5.2 59.11,39.92 ; v1(48.03,74.65) D1.1 ; 157.49,63.59 v1(157.52,63.62) 157.49,63.59 ; 157.49,63.59 Q41.3 157.49,63.59 ; C3.2 46.61,35.35 v1(46.61,35.21) 47.68,34.14 C1.2 ; 130.63,34.67 v1(131.5,33.8) 130.63,34.67 ; 130.63,34.67 U9.5 130.63,34.67 ; 109.11,35.35 C18.2 109.11,35.35 ; U20.3 31.43,87.5 v1(32.45,86.48) ; 34.5,87.5 32.98,87.5 v1(32,88.48) 31.98,88.5 U20.1 30.18,88.52 28.2,88.52 26.24,88.52 26.2,88.48 ; 171.61,35.35 C45.2 171.61,35.35 ; 160.18,34.14 C40.2 160.18,34.14 ; v1(98.03,74.65) D13.1 v1(98.03,74.65) ; v1(173.03,74.65) D40.1 v1(173.03,74.65) ; v1(123.03,74.65) D19.1 v1(123.03,74.65) ; v1(85.53,74.65) D10.1 v1(85.53,74.65) ; v1(110.53,74.65) D16.1 v1(110.53,74.65) ; v1(135.53,74.65) D22.1 v1(135.53,74.65) ; v1(73.03,74.65) D7.1 v1(73.03,74.65) ; v1(160.53,74.65) D37.1 v1(160.53,74.65) ; v1(60.53,74.65) D4.1 v1(60.53,74.65) ; v1(185.53,74.65) D43.1 v1(185.53,74.65) ; v1(148.03,74.65) D34.1 v1(148.03,74.65)
/CHANNEL 1/CURRENT_ADC: length 3.1
  Top w0.25: C3.1 46.68,37.5 v1(46.68,37.51) 46.7,37.51 47.64,38.45 R9.1
/CHANNEL 1/PWM: length 3.8
  Top w0.25: v1(46.19,75.29) 46.13,75.36 R3.2 44.22,78.22 R4.1
/CHANNEL 2/CURRENT_ADC: length 6.3
  Top w0.25: 60.14,38.45 R16.1 60.14,38.45 ; 60.14,38.45 59.2,37.51 ; 60.14,38.45 59.2,37.51 ; 59.18,37.5 C6.1 59.18,37.5 ; 59.18,37.5 v1(59.18,37.51) ; 59.18,37.5 v1(59.18,37.51) ; 59.2,37.51 v1(59.18,37.51) ; 59.2,37.51 v1(59.18,37.51)
/CHANNEL 2/PWM: length 7.7
  Top w0.25: 58.63,75.36 v1(58.69,75.29) 58.63,75.36 ; 58.63,75.36 R10.2 ; 58.63,75.36 R10.2 ; R10.2 56.72,78.22 ; R10.2 56.72,78.22 ; 56.72,78.22 R11.1 56.72,78.22
/CHANNEL 3/CURRENT_ADC: length 6.3
  Top w0.25: v1(71.68,37.51) 71.7,37.51 ; v1(71.68,37.51) 71.68,37.5 ; v1(71.68,37.51) 71.7,37.51 ; v1(71.68,37.51) 71.68,37.5 ; 71.7,37.51 72.64,38.45 ; 71.7,37.51 72.64,38.45 ; 72.64,38.45 R23.1 72.64,38.45 ; 71.68,37.5 C9.1 71.68,37.5
/CHANNEL 3/PWM: length 7.7
  Top w0.25: R17.2 71.13,75.36 ; R17.2 69.22,78.22 ; R17.2 71.13,75.36 ; R17.2 69.22,78.22 ; 71.13,75.36 v1(71.19,75.29) 71.13,75.36 ; 69.22,78.22 R18.1 69.22,78.22
/CHANNEL 4/CURRENT_ADC: length 6.3
  Top w0.25: v1(84.18,37.51) 84.2,37.51 ; v1(84.18,37.51) 84.18,37.5 ; v1(84.18,37.51) 84.2,37.51 ; v1(84.18,37.51) 84.18,37.5 ; 84.2,37.51 85.14,38.45 ; 84.2,37.51 85.14,38.45 ; 84.18,37.5 C12.1 84.18,37.5 ; 85.14,38.45 R30.1 85.14,38.45
/CHANNEL 4/PWM: length 7.7
  Top w0.25: 81.72,78.22 R25.1 81.72,78.22 ; 81.72,78.22 R24.2 ; 81.72,78.22 R24.2 ; R24.2 83.63,75.36 ; R24.2 83.63,75.36 ; 83.63,75.36 v1(83.69,75.29) 83.63,75.36
/CHANNEL 5/CURRENT_ADC: length 6.3
  Top w0.25: 97.64,38.45 R37.1 97.64,38.45 ; 97.64,38.45 96.7,37.51 ; 97.64,38.45 96.7,37.51 ; v1(96.68,37.51) 96.7,37.51 ; v1(96.68,37.51) 96.68,37.5 ; v1(96.68,37.51) 96.68,37.5 ; v1(96.68,37.51) 96.7,37.51 ; 96.68,37.5 C15.1 96.68,37.5
/CHANNEL 5/PWM: length 7.7
  Top w0.25: 96.13,75.36 v1(96.19,75.29) 96.13,75.36 ; 96.13,75.36 R31.2 ; 96.13,75.36 R31.2 ; 94.22,78.22 R32.1 94.22,78.22 ; 94.22,78.22 R31.2 ; 94.22,78.22 R31.2
/CHANNEL 6/CURRENT_ADC: length 6.3
  Top w0.25: 109.2,37.51 110.14,38.45 ; 109.2,37.51 110.14,38.45 ; 109.2,37.51 v1(109.18,37.51) ; 109.2,37.51 v1(109.18,37.51) ; 110.14,38.45 R44.1 110.14,38.45 ; v1(109.18,37.51) 109.18,37.5 ; v1(109.18,37.51) 109.18,37.5 ; 109.18,37.5 C18.1 109.18,37.5
/CHANNEL 6/PWM: length 7.7
  Top w0.25: R38.2 108.63,75.36 ; R38.2 106.72,78.22 ; R38.2 106.72,78.22 ; R38.2 108.63,75.36 ; 108.63,75.36 v1(108.69,75.29) 108.63,75.36 ; 106.72,78.22 R39.1 106.72,78.22
/CHANNEL 7/CURRENT_ADC: length 6.3
  Top w0.25: v1(121.68,37.51) 121.68,37.5 ; v1(121.68,37.51) 121.68,37.5 ; v1(121.68,37.51) 121.7,37.51 ; v1(121.68,37.51) 121.7,37.51 ; 121.68,37.5 C21.1 121.68,37.5 ; 122.64,38.45 R51.1 122.64,38.45 ; 122.64,38.45 121.7,37.51 ; 122.64,38.45 121.7,37.51
/CHANNEL 7/PWM: length 7.7
  Top w0.25: 121.13,75.36 v1(121.19,75.29) 121.13,75.36 ; 121.13,75.36 R45.2 ; 121.13,75.36 R45.2 ; R45.2 119.22,78.22 ; R45.2 119.22,78.22 ; 119.22,78.22 R46.1 119.22,78.22
/CHANNEL 8/CURRENT_ADC: length 6.3
  Top w0.25: v1(134.18,37.51) 134.2,37.51 ; v1(134.18,37.51) 134.18,37.5 ; v1(134.18,37.51) 134.2,37.51 ; v1(134.18,37.51) 134.18,37.5 ; 134.2,37.51 135.14,38.45 ; 134.2,37.51 135.14,38.45 ; 134.18,37.5 C24.1 134.18,37.5 ; 135.14,38.45 R58.1 135.14,38.45
/CHANNEL 8/PWM: length 7.7
  Top w0.25: 133.63,75.36 v1(133.69,75.29) 133.63,75.36 ; 133.63,75.36 R52.2 ; 133.63,75.36 R52.2 ; 131.72,78.22 R52.2 ; 131.72,78.22 R52.2 ; 131.72,78.22 R53.1 131.72,78.22
